# KiCad board Rogelio Pineda part 5.x2-AMLDC-2044B.kicad_pcb (continued)
## Routing (per net, layer and track width the routed paths; a pad name or vN(x,y) marks a point on that pad's centre or on a via; arc(x,y) is an arc through that point) (continued)
329.97,246.98 329.87,247.08 329.87,256.1 329.78,256.2 329.78,261.77 329.71,262.84 329.62,266.9 v1(329.38,267.14) ; v1(169.72,94.87) 169.35,94.87 168.4,95.92 168,97.48 167.92,98.28 168,103.37 168.43,106.79 168.24,107.46 v1(168.47,107.69) ; 324.05,161.7 324.02,161.72 ; 324.02,161.72 323.88,160.28 323.58,158.77 323.18,157.38 322.79,155.95 322.68,155.33 322.26,152.6 v1(322.47,152.26) ; 331.38,387.34 331.16,387.56 v1(331.16,402.49) ; 335.96,155.99 335.8,156.8 335.43,157.53 335.09,158.55 334.68,159.4 334.68,160 334.86,161.24 335.08,162.05 v1(335.43,163.55) ; 290.54,61.61 290.64,64.82 290.79,66.58 290.97,68.97 ; v1(320.94,290.66) 320.67,289.02 320.68,282.05 320.65,281 320.57,277.99 320.51,275.83 320.24,270.49 320.14,268.76 320.08,268.08 319.91,265.54 319.55,258.71 319.4,256.23 319.4,251.46 319.82,244.25 319.82,242.46 320.04,241.3 320.18,240.03 320.68,236.32 320.94,233.07 321.2,230.63 321.31,228.98 321.43,226.37 321.48,225.05 321.61,223.05 321.87,209.83 322.17,193.21 322.01,186.94 321.98,184.03 321.67,180.44 321.47,179.17 321.06,177.69 320.94,176.81 320.81,176 320.76,175.11 320.57,174.31 320.24,170.83 320.09,166.78 v1(319.94,162.49) ; 178.52,68.63 178.5,68.64 ; 178.5,68.64 178.5,71.91 178.51,73.4 178.23,76.15 178.04,77.86 177.83,89.2 177.7,94.91 177.47,98.32 177.27,99.65 177.14,100.54 176.76,104.17 176.79,105.82 176.84,106.76 176.85,107.16 177.41,110.64 177.5,111.89 177.58,112.46 177.57,112.47 177.69,115.57 178.1,121.56 178.03,124.34 178.09,125.51 178.11,126.66 177.86,136.82 178.04,145.48 178.05,145.5 178.05,149.02 178.12,151.6 178.46,161.21 178.72,163.64 178.67,163.69 178.79,165.69 178.59,167.79 178.33,170.36 178.02,175.64 178.05,182.14 178.12,183.16 178.32,190.34 178.43,192.04 178.51,195.08 178.77,196.58 178.87,198.91 179.18,200.34 179.23,201.25 179.39,202.67 179.13,204.83 179.03,206.27 179.08,207.21 179.28,207.83 179.81,208.36 v1(179.81,208.49) ; 178.5,68.64 178.24,66.96 177.82,64.12 177.37,62.1 176.73,59.94 176.35,59.24 v1(176.09,58.04) ; v1(366.71,359.93) 366.36,358.53 366.33,357.04 ; v1(168.93,92.47) 168.83,92.38 v1(168.83,85.33) 168.83,85.22 ; v1(408.78,67.2) 408.85,72.79 408.78,73.97 v1(408.65,74.78) ; v1(368.47,308.45) 368.69,308.8 369.48,310.77 369.6,311.7 369.52,312.54 369.48,312.83 369.21,314.22 368.8,315.41 368.66,316.88 368.61,317.62 368.61,317.96 368.61,322.75 368.82,323.39 368.95,323.82 369.17,324.58 369.67,325.98 370.46,328.63 370.39,329.6 370.34,330.37 370.11,331.97 369.95,332.77 369.87,333.85 369.82,334.99 370.03,342.56 370.15,345 370.39,346.99 370.49,347.55 370.73,348.51 371.04,349.91 371.46,352.25 371.67,353.27 371.95,354.76 372.15,355.88 372.35,359.59 372.35,360.96 372.24,361.87 372.18,363.15 372.05,363.83 371.35,365.33 v1(370.81,365.82) ; v1(410.8,193.91) 410.96,198.24 411.19,235.24 411.26,235.3 411.26,243.23 411.36,247.08 v1(411.5,256.94) 411.56,258.14 411.71,265.75 411.68,265.78 411.68,277.09 411.85,286.4 411.71,301.04 411.45,301.3 v1(411.45,301.92) ; v1(372.52,322.54) 372.16,321.34 371.98,320.76 371.86,320.29 371.49,319.07 371.29,317.31 371.69,315.27 372.16,314 372.54,312.42 372.55,310.81 372.23,309.34 371.74,308.07 371.62,307.36 371.49,306.74 371.35,305.39 371.56,303.58 371.72,302.92 372.35,301.37 372.83,300.07 373.27,299.12 373.64,297.38 373.79,296.39 373.76,272.17 373.63,271.23 373.58,270.58 373.44,269.6 373.09,268.67 372.43,267.23 372.13,266.24 371.74,264.22 371.69,254.93 371.64,254.59 371.53,254.01 371.26,251.72 371.15,250.78 371.18,249.71 371.39,249.22 371.7,248.42 372.08,247.98 372.32,247.62 372.52,247.12 373.19,245.75 373.33,215.12 373,212.43 372.54,210.97 372.12,209.42 372.03,204.53 372.09,203.08 372.29,202.69 372.35,202.23 372.44,201.56 372.79,199.59 372.59,195.7 372.56,195.3 372.51,192.67 v1(372.38,192.55) ; 211.4,108.69 211.4,108.7 v1(211.39,108.7) 211.4,108.71 211.4,109.53 211.5,109.63 211.71,110.48 211.68,110.69 211.92,111.69 212.11,112.76 212.39,114.54 212.6,115.67 212.9,118.17 213.07,119.55 213.08,126.58 213.07,127.95 213.11,134.16 213.02,138.45 213.07,139.42 213.03,140.53 213.07,143.82 213.09,145.12 212.79,159.19 212.93,162.64 ; v1(362.84,184.99) 362.65,185.81 362.43,187.3 362.42,191.02 362.46,193.35 362.53,195.36 362.62,197.94 362.63,199.26 362.7,202.3 363.15,209.62 363.25,211.92 v1(363.25,214.1) ; v1(289.75,218.39) 289.75,218.88 289.78,219.6 289.61,220.54 289.34,223.98 289.35,225.43 289.38,226.21 289.3,232.47 289.7,234.91 289.99,236.09 290.25,237.21 290.59,238.59 291.16,240.18 291.7,242.28 292.49,244.6 292.89,245.88 v1(292.98,247.06) ; v1(143.65,211.99) 143.55,211.72 143.7,210.83 144.06,208.57 143.91,198.8 143.89,194.38 143.99,192.54 143.96,189.95 143.94,186.1 143.84,180.58 143.86,174.9 143.78,166.11 143.63,161.2 143.55,160.47 143.35,159.51 142.97,158.13 142.32,156.54 142,155.74 141.57,154.96 140.74,152.5 140.58,143.57 140.64,142.15 140.47,131.89 140.64,127.44 140.61,126.53 140.63,125.99 140.69,124.7 140.58,120.88 141.19,117.19 141.22,115.6 141.17,115.1 141.12,113.94 140.87,111.35 140.87,93.96 140.92,93.83 141.6,91.87 142.33,90.46 142.27,72.89 142.28,71.13 142.62,69.32 v1(143.17,68.22) ; 172.94,199.58 172.95,198.97 172.82,196.33 172.8,193.36 172.52,189.79 172.19,187.96 171.89,186.76 171.4,184.4 170.63,180.28 170.59,177.62 170.29,169.96 170.29,168.64 170.31,166.77 171.1,164.19 v1(171.1,163.87) 171.2,162.36 171.55,160.37 171.93,157.97 172.64,155.58 172.76,145.64 172.74,145.62 172.87,139.16 172.97,138.21 172.97,126.63 172.97,126.3 172.8,125.79 171.82,123.13 171.35,122.08 170.88,121.03 170.79,119.75 170.82,118.13 170.94,117.25 171.09,116.48 171.4,114.9 171.4,114.68 171.14,111.44 170.78,108.31 170.48,106.97 170.27,105.3 170.12,103.97 170.05,103.12 169.86,101.91 169.75,100.12 v1(169.65,97.66) ; v1(335.34,108.3) 335.34,108.14 ; v1(335.34,108.3) 335.34,108.48 ; v1(217.55,63.07) 217.55,40.13 ; 373.42,100.26 v1(373.38,100.51) 373.46,118.04 373.38,119.86 373.5,122.19 373.18,134.42 373.17,135.96 373.08,147.36 373.08,149.54 372.94,161.42 372.97,162.54 373.24,167.83 373.52,169.65 373.57,172.74 373.6,173.68 373.71,176.1 373.73,177.81 373.84,179.69 373.93,183.38 374.11,185.81 374.11,187.57 374.16,189.26 374.21,192.41 374.16,194.17 374.01,199.49 373.96,200.55 373.91,201.5 373.86,202.57 373.76,204.49 373.62,205.13 v1(373.46,205.6) ; v1(363.07,380.89) 363.12,381.39 363,382.99 362.83,383.77 362.72,387.13 362.72,387.92 362.72,391.1 362.69,391.32 362.76,391.99 362.89,392.68 v1(363.11,393.63) ; v1(105.87,218.94) 106.32,217.33 106.62,214.67 ; v1(364.06,190.3) 364.15,189.91 364.18,187.61 364.24,186.24 364.23,177.83 364.27,176.89 364.23,167.94 364.22,165.87 364.25,164.93 364.34,156.49 364.32,156.48 364.32,150.59 364.28,147.07 364.35,144.31 364.36,141.94 364.46,138.51 364.43,137.72 364.54,134.36 364.59,133.53 364.61,132.76 364.64,131.58 v1(364.78,122.76) ; v1(105.09,73.44) 105.1,75.66 105.16,77.37 105.24,78.61 105.51,85.73 105.47,88.17 105.61,95.95 105.68,102.21 105.58,112.01 105.24,112.34 v1(105.24,112.81) 105.77,115.28 105.75,126.27 105.88,130.87 105.94,146.91 105.94,150.65 105.96,150.67 105.96,153.27 106.01,153.32 106.01,158.1 105.99,158.11 105.99,161.69 105.96,161.73 105.92,164.44 105.88,165.13 105.88,167.29 105.88,167.94 105.84,183.9 105.81,184.83 105.94,187.01 105.97,187.93 106.24,192.81 106.4,193.72 106.37,194.96 106.48,195.7 106.64,196.97 106.87,197.97 106.93,199.51 107.08,200.27 ; 371.24,345.26 371.41,346.96 371.63,348.26 372.07,350.13 372.05,350.15 372.2,350.73 372.34,351.73 372.61,352.69 372.97,354.22 373.22,355.87 373.29,361.22 373.25,361.65 373.18,363.66 372.99,365.11 372.62,366.19 372.23,367 371.79,368.25 371.29,369.69 371.25,370.13 370.87,372.29 v1(370.76,373.24) ; v1(365.59,399.97) 366.32,400.22 367.33,400.2 370.68,400.06 v1(371.84,400.06) ; v1(287.58,247.99) 287.5,246.88 286.74,238.53 286.47,234.27 286.22,223.46 286.26,214.9 286.38,145.31 286.3,139.1 286.49,122.73 286.36,119.68 286.21,106.89 286.23,100.71 v1(286.72,98.6) 286.72,98.56 ; v1(221.18,161.42) 221.18,162 221.62,162.44 221.5,173.56 221.45,174.94 221.43,176.3 221.4,183.2 221.31,184.53 221.23,185.09 221.21,197.71 220.97,198.52 221.11,201.79 221.01,203.59 220.82,210.97 ; v1(393.57,342.41) 392.71,343.27 391.71,343.63 390.74,344.18 390.34,344.32 389.48,344.73 388.91,344.98 387.72,345.63 387.07,345.78 v1(386.59,345.8) ; v1(287.9,100.84) 288.6,99.98 289.21,97.73 289.12,96.69 288.89,95.79 288.85,94.88 288.47,91.72 288.27,90.09 288.41,81.87 288.45,69 288.45,62.26 288.65,53.28 288.87,49.32 v1(289.12,47.48) ; v1(365.36,226.16) 365.82,227.6 366.04,229.41 366.22,230.8 366.51,232.19 366.54,233.08 366.72,233.72 366.85,235.07 367.03,236.1 367.29,238.92 367.38,242.17 367.4,242.95 367.26,248.95 367.22,249.19 367.2,249.86 367.04,252.95 366.96,253.95 366.81,261.3 366.81,261.74 366.79,263.27 v1(366.67,264.4) ; 92.52,133.33 90.51,134.81 89.15,135.77 87.92,136.53 86.85,137.1 v1(85.51,137.89) ; v1(174.88,162.68) 175.09,127.11 174.98,126.08 174.94,124.22 174.87,122.48 174.53,119.33 174.43,118.14 174.14,116.11 173.55,112.62 173.13,109.2 172.83,107.2 172.35,104.62 172.11,103.13 172.01,102.17 171.62,98.94 171.29,91.5 171.3,87.57 171.08,82.06 171,80.75 170.91,77.8 170.28,71.09 170.19,70.4 169.98,68.36 169.92,67.69 169.73,65.02 169.66,64.28 v1(169.45,63.57) ; v1(290.5,61.29) 290.43,61.27 ; v1(337.95,158.97) 337.95,158.21 338.22,157.94 338.22,117.79 v1(337.87,103.12) 337.86,103.03 ; v1(82.61,103.62) 82.84,103.39 84.59,103.48 85.06,103.58 85.34,103.77 85.29,103.72 86.07,103.89 87.14,104.6 87.51,105.02 87.51,105.09 87.9,105.56 88.21,106.17 88.32,106.85 88.56,107.47 88.76,108.86 88.81,113.17 88.88,114.36 88.74,116.86 88.82,118.22 88.96,118.91 v1(88.93,119.3) ; v1(330.91,309.07) 330.97,309.13 v1(330.97,312.39) ; v1(219.99,159.42) 219.61,159.95 219.51,162.48 219.9,163.91 220.35,165.23 220.55,168.41 220.66,177.13 220.46,179.36 219.83,195.78 219.74,197.24 v1(219.55,202.28) ; v1(181.02,205.96) 180.77,204.7 180.17,198.98 180.04,197.66 179.57,192.56 179.5,191.4 179.25,186.48 179.21,185.67 179.21,184.63 179.18,179.82 179.25,177.56 179.25,176.78 179.57,169.97 179.68,169.48 179.78,162.22 179.54,160.49 179.36,157.29 179.29,155.48 179.15,146.26 179.03,126.63 179.16,125.93 179.17,125.29 179.16,120.62 179.11,120.13 179.04,119.37 179.04,115.11 178.92,114.99 178.68,112.89 178.63,111.5 178.42,109.48 178.21,108.44 177.85,106.6 177.92,104.34 177.8,103.12 177.93,102.67 178.17,101.67 178.52,99.5 178.65,97.89 178.86,96.22 179.07,81.45 179.11,79.91 179.3,77.77 179.35,76.5 179.39,75.89 179.53,71.86 179.63,70.14 179.73,66.16 179.33,64.42 179.07,63.09 178.94,62.08 178.77,61.33 178.56,60.16 178.48,59.5 178.19,58.16 178.06,56.73 v1(177.8,56.11) ; v1(293.23,216.89) 293.26,216.93 v1(293.26,236.08) ; 321.95,88.8 321.91,88.76 v1(321.91,88.85) 322,88.85 322.04,88.89 322.27,101.52 322.29,103.56 322.4,106.23 322.65,117.9 322.73,117.98 322.73,119.77 322.87,132.44 322.79,138.01 322.74,143.12 323.11,144.45 323.19,145.27 323.59,147.31 324.24,150.32 324.19,153.55 324.18,154.41 324.66,158.92 325.41,161.41 326.18,166.29 326.6,167.86 327.14,171.34 327.49,173.96 327.57,187.53 327.57,188.14 327.56,189.11 327.7,199.08 327.65,200.47 327.72,210.63 327.64,217.87 327.72,221.83 327.65,222.61 327.65,232.07 327.69,234.98 327.78,239.91 327.62,245.2 327.65,249.91 327.73,253.04 327.43,257.16 325.94,277.03 325.68,282.77 325.64,283.24 325.41,289.69 325.28,292.3 324.63,312.7 323.97,324.25 323.4,339.75 323.2,348.49 323.13,387.53 322.82,389.86 v1(322.65,391.33) ; 94.61,106.93 94.48,107.6 94.38,108.68 94.29,112.03 94.45,113.87 94.52,115.53 94.61,116.45 94.77,118.38 94.81,118.96 94.82,119.76 94.87,120.45 94.76,121.67 94.67,122.44 94.41,123.29 93.64,125.1 93.45,125.43 93.13,125.91 92.77,126.38 92.01,127.47 91.22,128.31 90.84,128.84 89.93,129.74 89.18,130.29 87.99,130.66 86.83,130.95 86.18,131.01 v1(85.3,131.53) ; 94.61,106.93 94.63,106.92 ; v1(366.8,280.87) 367.12,281.41 367.34,282.41 367.7,283.4 367.8,284.7 367.84,285.25 367.93,286.49 367.7,290.45 367.67,292.44 367.3,296.59 367.05,297.73 366.75,298.64 366.4,299.73 366.11,300.55 365.75,301.64 v1(365.41,302.24) ; v1(332.57,278.17) 332.79,276.27 332.95,275.44 333.36,271.09 333.26,267.09 333.06,258.79 333.06,257.16 332.95,243.8 332.95,233.26 332.95,212.81 ; v1(331.64,265.88) 331.47,265.71 331.43,175.47 331.09,173.76 330.82,171.29 330.49,169.74 330.37,169.11 330.09,167.93 329.98,166.86 329.82,166.15 329.45,163.81 329.15,162.74 328.84,161.01 328.45,159.75 328.39,158.99 328.03,157.6 327.82,156.19 327.74,154.36 327.56,147.06 327.37,117.66 327.37,107.12 327.34,106.48 327.46,105.63 327.49,104.91 327.65,102.12 328.02,96.26 328.23,94.2 328.41,91.96 328.6,89.95 328.74,88 328.88,86.8 329.13,83.08 329.31,82.9 v1(329.31,82.86) 329.34,82.86 329.4,82.8 ; v1(294.04,273.9) 293.76,274.18 v1(293.76,278.24) 294.21,279.58 294.41,281.77 294.37,282.49 294.3,284.56 294.21,286.41 294.22,288.7 294.12,298.01 294.15,313.44 294.25,317.92 294.22,319.46 294.15,320.52 294.17,323.6 294.01,331.66 293.97,338.31 293.94,338.34 293.94,340.36 v1(293.86,340.43) ; v1(335.94,360.59) 335.98,360.63 v1(335.98,397.66) ; v1(133.04,106.46) 132.78,106.2 132.67,68.52 132.63,65.15 132.68,64.73 132.68,48.07 v1(132.69,48.06) ; 212.27,201.05 212.3,203.8 212.58,205.4 212.54,205.45 212.54,212.8 212.35,214.47 212.03,226.63 212.09,229.63 212.17,233.42 212.5,235.28 213.1,238.43 213.63,243.02 213.89,247.05 213.08,258.73 213.1,280.01 212.96,280.93 213.14,281.69 v1(213.24,284.96) ; v1(336.56,62.35) 336.74,61.01 v1(336.5,45.62) ; 335.76,146.52 v1(335.49,144.22)
  Top w0.2: 317.76,118.17 317.58,106.85 318.15,105.99 318.72,105.4 320.39,104.25 v1(320.45,104.25)
  Bottom w0.15: 123.59,312.75 120.32,312.81 117.86,312.89 109.8,313.09 107.33,313.84 105.49,314.25 103.65,314.54 102.18,314.28 100.33,312.81 v1(100.05,312.81) ; v1(126.79,312.65) 125.81,312.81 123.52,312.75 ; 292.88,284.95 292.23,284.9 285.8,284.97 282.22,285.04 274.3,285.01 268.72,284.89 262.26,284.94 260.13,285.3 257.58,285.93 256.25,286.09 240.76,285.93 234.61,285.93 231.67,285.89 226.19,285.75 224.98,285.63 220.58,285.32 219.3,285.34 215.7,285.24 214.73,285.17 v1(213.24,284.96)
  Bottom w0.2: v1(140.6,246.8) 141.31,246.47 143.25,246.62 144.96,246.71 149.63,246.98 152.1,247.17 155.63,247.35 157.12,247.34 161.38,247.48 169.31,247.7 173.76,247.89 177.29,247.94 184.01,248.12 187.01,248.18 192.84,248.47 195.03,248.68 199.38,248.93 200.64,249.12 201.99,249.56 203.34,249.81 207.98,250.86 209.99,251.37 214.97,252.45 217.7,252.8 227.89,252.83 229.64,252.83 235.41,252.72 238.1,252.71 243.68,252.54 245.84,252.66 246.87,252.66 250.28,253.54 252.98,255 253.57,255.25 255.19,256.11 257.08,256.87 258.99,257.88 262.47,259.21 265.73,260 268.38,259.87 269.13,259.78 272.12,259.24 273.97,258.8 276.55,257.93 278.73,257.12 282.35,256.18 284.69,256 286.24,255.85 292.74,255.85 292.82,255.77
  vias: v1(131.21,116.68) v1(134.44,116.68) v1(213.68,194.34) v1(217.49,40.23) v1(222.62,72.51) v1(253.01,60.24) v1(308.88,387.47) v1(331.01,387.54) v1(333.03,212.72) v1(338.48,392.44) v1(365.72,336.21)
